# Altium PCB driver_io.PcbDoc (part 1 of 2) (continued)
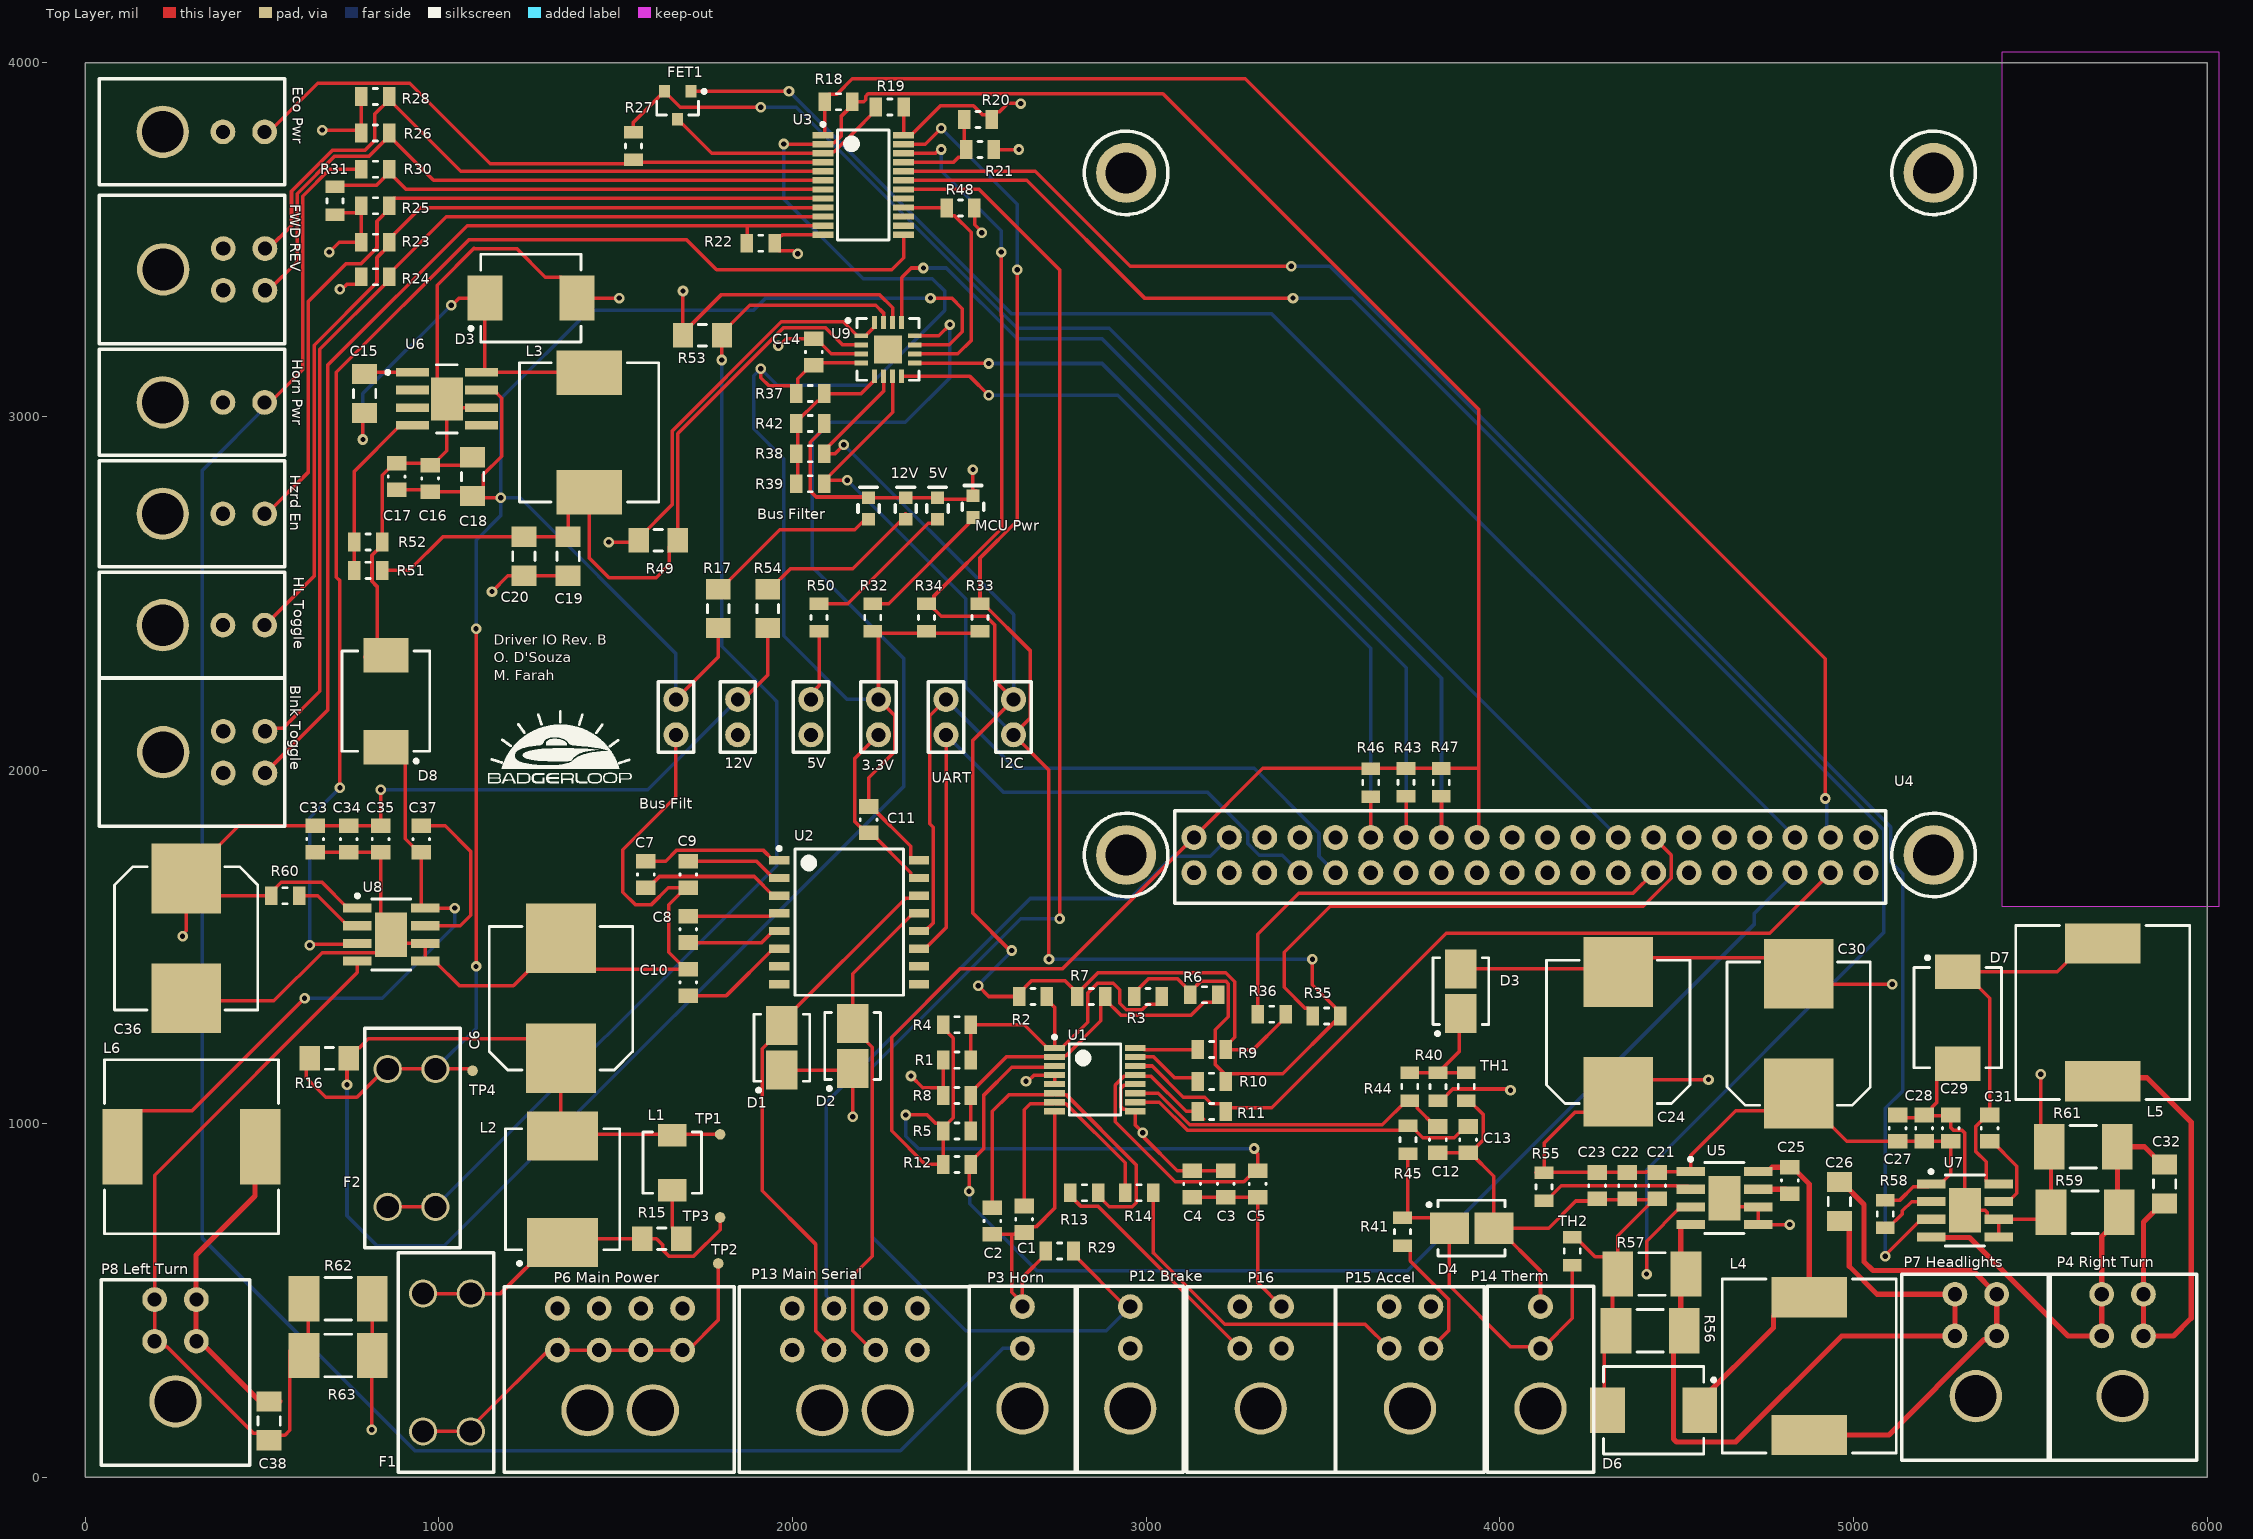
[diagram p0: Top Layer view]
## Part data (continued)
R1 R2 R3 R4 R5 R6 R7 R8 R9 R10 R20 R21 R35 R36 R37 R38 R39 R42: library part ERJ-6GEY0R00V, "RES SMD 0.0 OHM JUMPER 1/8W 0805", Digi-Key Part Number=P0.0ACT-ND, Manufacturer="Panasonic Electronic Components", Operating Temperature="-55°C ~ 155°C", Package / Case="0805 (2012 Metric)", Power (Watts)="0.125W, 1/8W", Supplier Device Package=0805, Temperature Coefficient=-, Tolerance=Jumper, @ qty=1500, Composition="Thick Film", Datasheets=http://industrial.panasonic.com/www-cgi/jvcr13pz.cgi?E+PZ+3+AOA0001+ERJ6GEY0R00V+7+WW, Factory Stock=0, Failure Rate=-, Features="Automotive AEC-Q200", Height - Seated (Max)="0.028\" (0.70mm)", Image=//media.digikey.com/Renders/Panasonic%20Renders/ERJ-0805%20Pkg.jpg, Minimum Quantity=1, Number of Terminations=2, Packaging="Cut Tape (CT)", Part Number=ERJ-6GEY0R00V, Part Status=Active, Quantity Available=1597627, Series=ERJ, Size / Dimension="0.079\" L x 0.049\" W (2.00mm x 1.25mm)", Unit Price (USD)=0.00544
R11 R18 R19 R22 R23 R24 R25 R26 R27 R28 R29 R33 R34 R43 R46 R47 R48: library part ERJ-6GEYJ103V, "RES SMD 10K OHM 5% 1/8W 0805", Digi-Key Part Number=P10KACT-ND, Manufacturer="Panasonic Electronic Components", Operating Temperature="-55°C ~ 155°C", Package / Case="0805 (2012 Metric)", Power (Watts)="0.125W, 1/8W", Supplier Device Package=0805, Temperature Coefficient=±200ppm/°C, Tolerance=±5%, @ qty=1500, Composition="Thick Film", Datasheets=http://industrial.panasonic.com/www-cgi/jvcr13pz.cgi?E+PZ+3+AOA0001+ERJ6GEYJ103V+7+WW, Factory Stock=0, Failure Rate=-, Features="Automotive AEC-Q200", Height - Seated (Max)="0.028\" (0.70mm)", Image=//media.digikey.com/Renders/Panasonic%20Renders/ERJ-0805%20Pkg.jpg, Minimum Quantity=1, Number of Terminations=2, Packaging="Cut Tape (CT)", Part Number=ERJ-6GEYJ103V, Part Status=Active, Quantity Available=2328224, Series=ERJ, Size / Dimension="0.079\" L x 0.049\" W (2.00mm x 1.25mm)", Unit Price (USD)=0.00496
R12 R51: library part ERJ-P06J103V, "RES SMD 10K OHM 5% 1/2W 0805", Digi-Key Part Number=P10KADCT-ND, Manufacturer="Panasonic Electronic Components", Operating Temperature="-55°C ~ 155°C", Package / Case="0805 (2012 Metric)", Power (Watts)="0.5W, 1/2W", Supplier Device Package=0805, Temperature Coefficient=±200ppm/°C, Tolerance=±5%, @ qty=1500, Composition="Thick Film", Datasheets=https://industrial.panasonic.com/cdbs/www-data/pdf/RDA0000/AOA0000C243.pdf, Factory Stock=0, Failure Rate=-, Features="Automotive AEC-Q200, Pulse Withstanding", Height - Seated (Max)="0.028\" (0.70mm)", Image=//media.digikey.com/Renders/Panasonic%20Renders/ERJ-0805%20Pkg.jpg, Minimum Quantity=1, Number of Terminations=2, Packaging="Cut Tape (CT)", Part Number=ERJ-P06J103V, Part Status=Active, Quantity Available=413576, Series=ERJ, Size / Dimension="0.079\" L x 0.049\" W (2.00mm x 1.25mm)", Unit Price (USD)=0.01839
R13 R14 R44 R45: library part ERJ-6ENF3002V, "RES SMD 30K OHM 1% 1/8W 0805", Digi-Key Part Number=P30.0KCCT-ND, Manufacturer="Panasonic Electronic Components", Operating Temperature="-55°C ~ 155°C", Package / Case="0805 (2012 Metric)", Power (Watts)="0.125W, 1/8W", Supplier Device Package=0805, Temperature Coefficient=±100ppm/°C, Tolerance=±1%, @ qty=1500, Composition="Thick Film", Datasheets=http://industrial.panasonic.com/www-cgi/jvcr13pz.cgi?E+PZ+3+AOA0002+ERJ6ENF3002V+7+WW, Factory Stock=0, Failure Rate=-, Features="Automotive AEC-Q200", Height - Seated (Max)="0.028\" (0.70mm)", Image=//media.digikey.com/Renders/Panasonic%20Renders/ERJ-0805%20Pkg.jpg, Minimum Quantity=1, Number of Terminations=2, Packaging="Cut Tape (CT)", Part Number=ERJ-6ENF3002V, Part Status=Active, Quantity Available=88046, Series=ERJ, Size / Dimension="0.079\" L x 0.049\" W (2.00mm x 1.25mm)", Unit Price (USD)=0.00729
R15: library part ERJ-8BSJR18V, "RES SMD 0.18 OHM 5% 1/2W 1206", Digi-Key Part Number=P17691CT-ND, Manufacturer="Panasonic Electronic Components", Operating Temperature="-55°C ~ 125°C", Package / Case="1206 (3216 Metric)", Power (Watts)="0.5W, 1/2W", Supplier Device Package=1206, Temperature Coefficient=±250ppm/°C, Tolerance=±5%, @ qty=1500, Composition="Thick Film", Datasheets=https://industrial.panasonic.com/cdbs/www-data/pdf/RDA0000/AOA0000C239.pdf, Factory Stock=0, Failure Rate=-, Features="Automotive AEC-Q200, Current Sense", Height - Seated (Max)="0.028\" (0.70mm)", Image=//media.digikey.com/Renders/Panasonic%20Renders/ERJ-1206%20Pkg.jpg, Minimum Quantity=1, Number of Terminations=2, Packaging="Cut Tape (CT)", Part Number=ERJ-8BSJR18V, Part Status=Active, Quantity Available=4940, Series=ERJ, Size / Dimension="0.126\" L x 0.063\" W (3.20mm x 1.60mm)", Unit Price (USD)=0.07621
R16 R49 R53: library part CSNL1206FT5L00TR, "RES SMD 0.005 OHM 1% 1W 1206", Case Code (Imperial)=1206, Case Code (Metric)=3216, Manufacturer="Stackpole Electronics", Manufacturer Part Number=CSNL1206FT5L00, Max Operating Temperature=170°C, Max Power Dissipation=1W, Min Operating Temperature=-55°C, Resistance=5mR, Supplier Part Number 1=CSNL1206FT5L00DKR-ND, Temperature Coefficient=50ppm/°C, Tolerance=1%, Case/Package=1206, ComponentLink1Description=https://www.seielect.com/Catalog/SEI-csnl.pdf?src-supplier=Digi-Key, ComponentLink1URL=https://www.seielect.com/Catalog/SEI-csnl.pdf?src-supplier=Digi-Key, ComponentLink2Description=https://www.seielect.com/catalog/SEI-Packaging.pdf?src-supplier=Digi-Key, ComponentLink2URL=https://www.seielect.com/catalog/SEI-Packaging.pdf?src-supplier=Digi-Key, ComponentLink3Description=https://www.seielect.com/Catalog/SEI-CSNL.pdf?src-supplier=Avnet, ComponentLink3URL=https://www.seielect.com/Catalog/SEI-CSNL.pdf?src-supplier=Avnet, Composition="Metal Foil", Contact Plating=Tin,Matte, Features="Moisture Resistant", Height=0.035inch, Length=0.126inch, Mount="Surface Mount", Number of Terminations=2, Packaging="Tape and Reel", Power Rating=1W, Pricing 1="1=0.68, 10=0.566, 25=0.4852, 50=0.4366, 100=0.38, 250=0.33956, 500=0.2749, 1000=0.22234 (USD)", Radiation Hardening=No, Stock 1=5025, Supplier 1=Digi-Key, Width=0.063inch
R17 R54: library part ERJ-8ENF4990V, "RES SMD 499 OHM 1% 1/4W 1206", Digi-Key Part Number=P499FCT-ND, Manufacturer="Panasonic Electronic Components", Operating Temperature="-55°C ~ 155°C", Package / Case="1206 (3216 Metric)", Power (Watts)="0.25W, 1/4W", Supplier Device Package=1206, Temperature Coefficient=±100ppm/°C, Tolerance=±1%, @ qty=1500, Composition="Thick Film", Datasheets=http://industrial.panasonic.com/www-cgi/jvcr13pz.cgi?E+PZ+3+AOA0002+ERJ8ENF4990V+7+WW, Factory Stock=0, Failure Rate=-, Features="Automotive AEC-Q200", Height - Seated (Max)="0.028\" (0.70mm)", Image=//media.digikey.com/Renders/Panasonic%20Renders/ERJ-1206%20Pkg.jpg, Minimum Quantity=1, Number of Terminations=2, Packaging="Cut Tape (CT)", Part Number=ERJ-8ENF4990V, Part Status=Active, Quantity Available=90988, Series=ERJ, Size / Dimension="0.126\" L x 0.063\" W (3.20mm x 1.60mm)", Unit Price (USD)=0.00933
R30: library part ERJ-P6WF1801V, "RES SMD 1.8K OHM 1% 1/2W 0805", Digi-Key Part Number=P16888CT-ND, Manufacturer="Panasonic Electronic Components", Operating Temperature="-55°C ~ 155°C", Package / Case="0805 (2012 Metric)", Power (Watts)="0.5W, 1/2W", Supplier Device Package=0805, Temperature Coefficient=±200ppm/°C, Tolerance=±1%, @ qty=1500, Composition="Thick Film", Datasheets=https://industrial.panasonic.com/cdbs/www-data/pdf/RDA0000/AOA0000C243.pdf, Factory Stock=0, Failure Rate=-, Features="Automotive AEC-Q200, Pulse Withstanding", Height - Seated (Max)="0.030\" (0.75mm)", Image=//media.digikey.com/Renders/Panasonic%20Renders/ERJ-0805%20Pkg.jpg, Minimum Quantity=1, Number of Terminations=2, Packaging="Cut Tape (CT)", Part Number=ERJ-P6WF1801V, Part Status=Active, Quantity Available=1027, Series=ERJ, Size / Dimension="0.079\" L x 0.049\" W (2.00mm x 1.25mm)", Unit Price (USD)=0.10507
R31: library part ERJ-P06F1001V, "RES SMD 1K OHM 1% 1/2W 0805", Digi-Key Part Number=P16058CT-ND, Manufacturer="Panasonic Electronic Components", Operating Temperature="-55°C ~ 155°C", Package / Case="0805 (2012 Metric)", Power (Watts)="0.5W, 1/2W", Supplier Device Package=0805, Temperature Coefficient=±100ppm/°C, Tolerance=±1%, @ qty=1500, Composition="Thick Film", Datasheets=https://industrial.panasonic.com/cdbs/www-data/pdf/RDA0000/AOA0000C243.pdf, Factory Stock=0, Failure Rate=-, Features="Automotive AEC-Q200, Pulse Withstanding", Height - Seated (Max)="0.028\" (0.70mm)", Image=//media.digikey.com/Renders/Panasonic%20Renders/ERJ-0805%20Pkg.jpg, Minimum Quantity=1, Number of Terminations=2, Packaging="Cut Tape (CT)", Part Number=ERJ-P06F1001V, Part Status=Active, Quantity Available=161264, Series=ERJ, Size / Dimension="0.079\" L x 0.049\" W (2.00mm x 1.25mm)", Unit Price (USD)=0.02534
R32: library part ERJ-6GEYJ620V, "RES SMD 62 OHM 5% 1/8W 0805", Digi-Key Part Number=P62ACT-ND, Manufacturer="Panasonic Electronic Components", Operating Temperature="-55°C ~ 155°C", Package / Case="0805 (2012 Metric)", Power (Watts)="0.125W, 1/8W", Supplier Device Package=0805, Temperature Coefficient=±200ppm/°C, Tolerance=±5%, @ qty=1500, Composition="Thick Film", Datasheets=http://industrial.panasonic.com/www-cgi/jvcr13pz.cgi?E+PZ+3+AOA0001+ERJ6GEYJ620V+7+WW, Factory Stock=0, Failure Rate=-, Features="Automotive AEC-Q200", Height - Seated (Max)="0.028\" (0.70mm)", Image=//media.digikey.com/Renders/Panasonic%20Renders/ERJ-0805%20Pkg.jpg, Minimum Quantity=1, Number of Terminations=2, Packaging="Cut Tape (CT)", Part Number=ERJ-6GEYJ620V, Part Status=Active, Quantity Available=65363, Series=ERJ, Size / Dimension="0.079\" L x 0.049\" W (2.00mm x 1.25mm)", Unit Price (USD)=0.00496
R40 R41: library part ERJ-P6WF1002V, "RES SMD 10K OHM 1% 1/2W 0805", Digi-Key Part Number=P16897CT-ND, Manufacturer="Panasonic Electronic Components", Operating Temperature="-55°C ~ 155°C", Package / Case="0805 (2012 Metric)", Power (Watts)="0.5W, 1/2W", Supplier Device Package=0805, Temperature Coefficient=±200ppm/°C, Tolerance=±1%, @ qty=1500, Composition="Thick Film", Datasheets=https://industrial.panasonic.com/cdbs/www-data/pdf/RDA0000/AOA0000C243.pdf, Factory Stock=0, Failure Rate=-, Features="Automotive AEC-Q200, Pulse Withstanding", Height - Seated (Max)="0.030\" (0.75mm)", Image=//media.digikey.com/Renders/Panasonic%20Renders/ERJ-0805%20Pkg.jpg, Minimum Quantity=1, Number of Terminations=2, Packaging="Cut Tape (CT)", Part Number=ERJ-P6WF1002V, Part Status=Active, Quantity Available=6510, Series=ERJ, Size / Dimension="0.079\" L x 0.049\" W (2.00mm x 1.25mm)", Unit Price (USD)=0.10507
R50: library part ERJ-6GEYJ151V, "RES SMD 150 OHM 5% 1/8W 0805", Digi-Key Part Number=P150ACT-ND, Manufacturer="Panasonic Electronic Components", Operating Temperature="-55°C ~ 155°C", Package / Case="0805 (2012 Metric)", Power (Watts)="0.125W, 1/8W", Supplier Device Package=0805, Temperature Coefficient=±200ppm/°C, Tolerance=±5%, @ qty=1500, Composition="Thick Film", Datasheets=http://industrial.panasonic.com/www-cgi/jvcr13pz.cgi?E+PZ+3+AOA0001+ERJ6GEYJ151V+7+WW, Factory Stock=0, Failure Rate=-, Features="Automotive AEC-Q200", Height - Seated (Max)="0.028\" (0.70mm)", Image=//media.digikey.com/Renders/Panasonic%20Renders/ERJ-0805%20Pkg.jpg, Minimum Quantity=1, Number of Terminations=2, Packaging="Cut Tape (CT)", Part Number=ERJ-6GEYJ151V, Part Status=Active, Quantity Available=321000, Series=ERJ, Size / Dimension="0.079\" L x 0.049\" W (2.00mm x 1.25mm)", Unit Price (USD)=0.00496
R52: library part ERJ-6ENF3161V, "RES SMD 3.16K OHM 1% 1/8W 0805", Digi-Key Part Number=P3.16KCCT-ND, Manufacturer="Panasonic Electronic Components", Operating Temperature="-55°C ~ 155°C", Package / Case="0805 (2012 Metric)", Power (Watts)="0.125W, 1/8W", Supplier Device Package=0805, Temperature Coefficient=±100ppm/°C, Tolerance=±1%, @ qty=1500, Composition="Thick Film", Datasheets=http://industrial.panasonic.com/www-cgi/jvcr13pz.cgi?E+PZ+3+AOA0002+ERJ6ENF3161V+7+WW, Factory Stock=0, Failure Rate=-, Features="Automotive AEC-Q200", Height - Seated (Max)="0.028\" (0.70mm)", Image=//media.digikey.com/Renders/Panasonic%20Renders/ERJ-0805%20Pkg.jpg, Minimum Quantity=1, Number of Terminations=2, Packaging="Cut Tape (CT)", Part Number=ERJ-6ENF3161V, Part Status=Active, Quantity Available=33506, Series=ERJ, Size / Dimension="0.079\" L x 0.049\" W (2.00mm x 1.25mm)", Unit Price (USD)=0.00729
R55 R58 R60: library part ERJ-6GEYJ474V, "RES SMD 470K OHM 5% 1/8W 0805", Digi-Key Part Number=P470KACT-ND, Manufacturer="Panasonic Electronic Components", Operating Temperature="-55°C ~ 155°C", Package / Case="0805 (2012 Metric)", Power (Watts)="0.125W, 1/8W", Supplier Device Package=0805, Temperature Coefficient=±200ppm/°C, Tolerance=±5%, @ qty=1500, Composition="Thick Film", Datasheets=http://industrial.panasonic.com/www-cgi/jvcr13pz.cgi?E+PZ+3+AOA0001+ERJ6GEYJ474V+7+WW, Factory Stock=0, Failure Rate=-, Features="Automotive AEC-Q200", Height - Seated (Max)="0.028\" (0.70mm)", Image=//media.digikey.com/Renders/Panasonic%20Renders/ERJ-0805%20Pkg.jpg, Minimum Quantity=1, Number of Terminations=2, Packaging="Cut Tape (CT)", Part Number=ERJ-6GEYJ474V, Part Status=Active, Quantity Available=127133, Series=ERJ, Size / Dimension="0.079\" L x 0.049\" W (2.00mm x 1.25mm)", Unit Price (USD)=0.00496
R56 R57 R59 R61 R62 R63: "Res Thick Film 2512 1 Ohm 5% 3W ±200ppm/C Pad SMD", Case Code (Imperial)=2512, Case Code (Metric)=6432, Manufacturer="TE Connectivity CGS", Max Operating Temperature=105°C, Min Operating Temperature=-55°C, Number of Resistors=1, Power Rating=3W, Resistance=1R, Resistor Type="Thick Film,Power resistor", Supplier Part Number 1=A121177CT-ND, Temperature Coefficient=200ppm/°C, Tolerance=5%, Voltage Rating=250V, Case/Package=2512, Category="Chip SMD Resistors", ComponentLink1Description=http://www.farnell.com/datasheets/2007092.pdf?src-supplier=Farnell, ComponentLink1URL=http://www.farnell.com/datasheets/2007092.pdf?src-supplier=Farnell, ComponentLink2Description=http://uk.rs-online.com/webdocs/142d/0900766b8142d0dd.pdf?src-supplier=RSComponents, ComponentLink2URL=http://uk.rs-online.com/webdocs/142d/0900766b8142d0dd.pdf?src-supplier=RSComponents, ComponentLink3Description=https://www.te.com/commerce/DocumentDelivery/DDEController?Action=srchrtrv&DocNm=9-1773463-7&DocType=DS&DocLang=English&src-supplier=Digi-Key, ComponentLink3URL=https://www.te.com/commerce/DocumentDelivery/DDEController?Action=srchrtrv&DocNm=9-1773463-7&DocType=DS&DocLang=English&src-supplier=Digi-Key, ComponentLink4Description=https://www.te.com/commerce/DocumentDelivery/DDEController?Action=srchrtrv&amp;DocNm=9-1773463-7&amp;DocType=DS&amp;DocLang=English&src-supplier=Digi-Key, ComponentLink4URL=https://www.te.com/commerce/DocumentDelivery/DDEController?Action=srchrtrv&amp;DocNm=9-1773463-7&amp;DocType=DS&amp;DocLang=English&src-supplier=Digi-Key, ComponentLink5Description=http://www.farnell.com/datasheets/2007092.pdf?src-supplier=Element14, ComponentLink5URL=http://www.farnell.com/datasheets/2007092.pdf?src-supplier=Element14, Depth=3.2mm, Height=1.1mm, Length=6.35mm, Manufacturer Part Number=35221R0JT, Mount="Surface Mount", Number of Terminations=2, Packaging="Tape and Reel", Pricing 1="1=0.74000, 10=0.62000, 100=0.41620, 1000=0.24350 (USD)", REACH SVHC=Unknown, RoHS=Yes, RoHS Compliant=Yes, Stock 1=887, Supplier 1=Digi-Key, Termination=Solder, Voltage Rating (DC)=250V
TH1 TH2: "NTC THERMISTOR 4.7K OHM 5% 0805", Case Code (Imperial)=0805, Case Code (Metric)=2012, Current Rating=650uA, Manufacturer=Murata, Max Operating Temperature=125°C, Max Power Dissipation=200mW, Min Operating Temperature=-40°C, Package Quantity=4000, Resistance=4.7kR, Supplier Part Number 1=490-2453-1-ND, Tolerance=5%, Accuracy=3%, Case/Package=0805, ComponentLink1Description=https://datasheet.ciiva.com/30488/0900766b81259d06-30488337.pdf?src-supplier=RSComponents, ComponentLink1URL=https://datasheet.ciiva.com/30488/0900766b81259d06-30488337.pdf?src-supplier=RSComponents, ComponentLink2Description=https://datasheet.ciiva.com/2848/r44e-2848550.pdf?src-supplier=Digi-Key, ComponentLink2URL=https://datasheet.ciiva.com/2848/r44e-2848550.pdf?src-supplier=Digi-Key, ComponentLink3Description=https://datasheet.ciiva.com/24155/r44e-24155222.pdf?src-supplier=Future+Electronics, ComponentLink3URL=https://datasheet.ciiva.com/24155/r44e-24155222.pdf?src-supplier=Future+Electronics, ComponentLink4Description=https://datasheet.ciiva.com/2848/r44e-2848551.pdf?src-supplier=Digi-Key, ComponentLink4URL=https://datasheet.ciiva.com/2848/r44e-2848551.pdf?src-supplier=Digi-Key, ComponentLink5Description=https://datasheet.ciiva.com/2848/r44e-2848552.pdf?src-supplier=Digi-Key, ComponentLink5URL=https://datasheet.ciiva.com/2848/r44e-2848552.pdf?src-supplier=Digi-Key, ComponentLink6Description=https://datasheet.ciiva.com/16634/l0770c-16634105.pdf?src-supplier=Avnet+Europe, ComponentLink6URL=https://datasheet.ciiva.com/16634/l0770c-16634105.pdf?src-supplier=Avnet+Europe, ComponentLink7Description=https://datasheet.ciiva.com/3280/l0770c-3280522.pdf?src-supplier=Avnet, ComponentLink7URL=https://datasheet.ciiva.com/3280/l0770c-3280522.pdf?src-supplier=Avnet, Depth=1.25mm, Height=0.85mm, Lead Free="Lead Free", Length=2mm, Manufacturer Part Number=NCP21XM472J03RA, Mount="Surface Mount", Number of Pins=2, Packaging="Tape and Reel", Power Rating=200mW, Pricing 1="1=0.20000, 5=0.19400, 10=0.17300, 25=0.15920, 50=0.12760, 100=0.10930, 500=0.09564, 1000=0.08197 (USD)", Radiation Hardening=No, REACH SVHC="No SVHC", RoHS=Yes, Stock 1=51855, Supplier 1=Digi-Key, Termination=SMD/SMT, Width=1.25mm
TP1 TP2 TP3 TP4: "SMD TEST POINT"
U1: "ADC, Delta-Sigma, 24-Bit, 1 Func, 4 Channel, Serial Access, PDSO16", Manufacturer="Texas Instruments", Supplier Part Number 1=296-50884-1-ND, Category="Analog to Digital Converters (ADCs)", ComponentLink1Description=https://www.ti.com:443/lit/ds/symlink/ads1219.pdf?src-supplier=IHS+Markit, ComponentLink1URL=https://www.ti.com:443/lit/ds/symlink/ads1219.pdf?src-supplier=IHS+Markit, ComponentLink2Description=http://www.ti.com/lit/ds/symlink/ads1219.pdf?src-supplier=Digi-Key, ComponentLink2URL=http://www.ti.com/lit/ds/symlink/ads1219.pdf?src-supplier=Digi-Key, Converter Type=DELTA-SIGMA, JESD-609 Code=e4, Manufacturer Part Number=ADS1219IPWR, Moisture Sensitivity Level=3, Output Bit Code="OFFSET BINARY", Pricing 1="1=7.21000, 10=6.50900, 25=6.20600, 100=5.38870, 250=5.14652, 500=4.99800 (USD)", REACH SVHC=Yes, RoHS=Yes, RoHS Compliant=Yes, Stock 1=12108, Supplier 1=Digi-Key, Terminal Finish=Nickel
U2: "IC DRVR/RCVR MULTCH RS232 16SOIC", Case/Package=SOIC, Manufacturer="Texas Instruments", Max Operating Temperature=85°C, Max Supply Voltage=5.5V, Min Operating Temperature=-40°C, Min Supply Voltage=3V, Nominal Supply Current=1mA, Operating Supply Voltage=5V, Output Current=60mA, Output Voltage=5.4V, Package Quantity=40, Supplier Part Number 1=296-26159-5-ND, ComponentLink1Description=http://www.farnell.com/datasheets/1823586.pdf?src-supplier=Element14, ComponentLink1URL=http://www.farnell.com/datasheets/1823586.pdf?src-supplier=Element14, ComponentLink2Description=http://www.ti.com/lit/ds/symlink/max3232.pdf?src-supplier=Digi-Key, ComponentLink2URL=http://www.ti.com/lit/ds/symlink/max3232.pdf?src-supplier=Digi-Key, ComponentLink3Description=http://focus.ti.com/lit/ds/symlink/max3232.pdf?src-supplier=Avnet+Europe, ComponentLink3URL=http://focus.ti.com/lit/ds/symlink/max3232.pdf?src-supplier=Avnet+Europe, ComponentLink4Description=http://www.produktinfo.conrad.com/datenblaetter/1100000-1199999/001187156-da-01-en-IC_DRVR_RCVR_MULT_MAX3232IDW_SOIC_16_TID.pdf?src-supplier=Conrad, ComponentLink4URL=http://www.produktinfo.conrad.com/datenblaetter/1100000-1199999/001187156-da-01-en-IC_DRVR_RCVR_MULT_MAX3232IDW_SOIC_16_TID.pdf?src-supplier=Conrad, Data Rate=250Kbps, Height=2.35mm, Lead Free="Lead Free", Length=10.28mm, Logic Function=Transceiver,Receiver, Mount="Surface Mount", Number of Drivers=2, Number of Pins=16, Number of Receivers=2, Number of Transceivers=1, Number of Transmitters=2, Packaging=Rail/Tube, Pricing 1="1=2.15, 10=1.927, 25=1.818, 100=1.4543, 250=1.27252, 500=1.23618, 1000=0.98167, 2500=0.9604 (USD)", Radiation Hardening=No, REACH SVHC="No SVHC", RoHS Compliant=Yes, Simplex/Duplex="Full Duplex", Stock 1=419, Supplier 1=Digi-Key, Weight=0.014829oz, Width=7.52mm
U3: "Parallel I/O Port, 16-Bit, 16 I/O, CMOS, PDSO24", Manufacturer="Texas Instruments", Max Operating Temperature=85°C, Max Supply Voltage=5.5V, Min Operating Temperature=-40°C, Min Supply Voltage=1.65V, Package Body Material=Plastic, Package Code=TSSOP, Package Equivalence Code=TSSOP24,.25, Package Shape=Rectangular, Package Style="SMALL OUTLINE, THIN PROFILE, SHRINK PITCHMeter", Peak Reflow Temperature (Cel)=260°C, Power Supplies=1.8/5V, Supply Voltage-Nom=1.8V, Temperature Grade=INDUSTRIAL, Category="Interface ICs", ComponentLink1Description=https://www.ti.com:443/lit/ds/symlink/tca6416.pdf?src-supplier=IHS+Markit, ComponentLink1URL=https://www.ti.com:443/lit/ds/symlink/tca6416.pdf?src-supplier=IHS+Markit, ComponentLink2Description=https://datasheet.ciiva.com/1780/tca6416-1780912.pdf?src-supplier=Digi-Key, ComponentLink2URL=https://datasheet.ciiva.com/1780/tca6416-1780912.pdf?src-supplier=Digi-Key, ComponentLink3Description=https://datasheet.ciiva.com/1780/tca6416-1780913.pdf?src-supplier=Digi-Key, ComponentLink3URL=https://datasheet.ciiva.com/1780/tca6416-1780913.pdf?src-supplier=Digi-Key, ComponentLink4Description=https://datasheet.ciiva.com/1780/tca6416-1780914.pdf?src-supplier=Digi-Key, ComponentLink4URL=https://datasheet.ciiva.com/1780/tca6416-1780914.pdf?src-supplier=Digi-Key, Height - Seated (Max)=1.2mm, JESD-30 Code=R-PDSO-G24, JESD-609 Code=e4, Length=7.8mm, Manufacturer Part Number=TCA6416PWR, Moisture Sensitivity Level=1, Number of Bits=16, Number of I/O Lines=16, Number of Pins=24, Number of Ports=2, Pricing 1="1=3.29000, 10=2.95900, 25=2.79760, 100=2.42460, 250=2.30024, 500=2.06402, 1000=2.05275 (USD)", Qualification Status="Not Qualified", REACH SVHC=Yes, RoHS=Yes, RoHS Compliant=Yes, Stock 1=2155, Supplier 1=Digi-Key, Surface Mount=Yes, Technology=CMOS, Terminal Finish=Nickel, Terminal Form="Gull Wing", Terminal Pitch=0.65mm, Terminal Position=DUAL, Width=4.4mm
U4: "SINGLE BOARD COMPUTER", Manufacturer="Raspberry Pi", Supplier Part Number 1=1373331, ComponentLink1Description=https://github.com/raspberrypi/documentation/raw/master/hardware/raspberrypi/mechanical/rpi_MECH_3bplus.pdf?src-supplier=Digi-Key, ComponentLink1URL=https://github.com/raspberrypi/documentation/raw/master/hardware/raspberrypi/mechanical/rpi_MECH_3bplus.pdf?src-supplier=Digi-Key, Core Architecture=ARM, Manufacturer Part Number="RASPBERRY PI 4 MODEL B", RoHS=No, Supplier 1=RSComponents
U5 U7 U8: "LED Driver Buck 1-CH PWM 10.2V 1.5A 8-Pin SOP EP T/R", Manufacturer=ISSI, Supplier Part Number 1=2521-IS32LT3952-GRLA3-CT-ND, Category="LED Drivers", Manufacturer Part Number=IS32LT3952-GRLA3-TR, Pricing 1="1=1.59000, 10=1.43300, 25=1.35160, 100=1.15150, 250=1.08120, 500=0.94604, 1000=0.78387 (USD)", RoHS=Yes, RoHS Compliant=Yes, Stock 1=4817, Supplier 1=Digi-Key
U6: "Switching Regulator, Voltage-mode, 5A, 500kHz Switching Freq-Max, PDSO8", Manufacturer="Texas Instruments", Max Input Voltage=36V, Max Operating Temperature=125°C, Max Output Current=11.7A, Min Input Voltage=5.5V, Min Operating Temperature=-55°C, Package Body Material=Plastic, Package Code=HLSOP, Package Equivalence Code=SOP8,.25, Package Shape=Rectangular, Package Style="SMALL OUTLINE, HEAT SINK/SLUG, LOW PROFILEMeter", Peak Reflow Temperature (Cel)=260°C, Switching Frequency-Max=600kHz, Temperature Grade=MILITARY, Analog IC - Other Type="SWITCHING REGULATOR", Category="Voltage Regulators - Switching", ComponentLink1Description=https://www.ti.com:443/lit/ds/symlink/tps5450-ep.pdf?src-supplier=IHS+Markit, ComponentLink1URL=https://www.ti.com:443/lit/ds/symlink/tps5450-ep.pdf?src-supplier=IHS+Markit, ComponentLink2Description=https://datasheet.ciiva.com/2026/tps5450-ep-2026960.pdf?src-supplier=Digi-Key, ComponentLink2URL=https://datasheet.ciiva.com/2026/tps5450-ep-2026960.pdf?src-supplier=Digi-Key, ComponentLink3Description=https://datasheet.ciiva.com/14377/tps5450-ep-14377735.pdf?src-supplier=Avnet, ComponentLink3URL=https://datasheet.ciiva.com/14377/tps5450-ep-14377735.pdf?src-supplier=Avnet, ComponentLink4Description=https://datasheet.ciiva.com/4120/47915916s8374019n7713-4120041.pdf?src-supplier=Arrow+Electronics, ComponentLink4URL=https://datasheet.ciiva.com/4120/47915916s8374019n7713-4120041.pdf?src-supplier=Arrow+Electronics, ComponentLink5Description=https://datasheet.ciiva.com/12226/slvs935-120931-12226785.pdf?src-supplier=Mouser, ComponentLink5URL=https://datasheet.ciiva.com/12226/slvs935-120931-12226785.pdf?src-supplier=Mouser, ComponentLink6Description=https://datasheet.ciiva.com/26899/tps5450mddarep-26899682.pdf?src-supplier=IIIC, ComponentLink6URL=https://datasheet.ciiva.com/26899/tps5450mddarep-26899682.pdf?src-supplier=IIIC, ComponentLink7Description=https://datasheet.ciiva.com/26101/tps5450-ep-26101388.pdf?src-supplier=Avnet+Europe, ComponentLink7URL=https://datasheet.ciiva.com/26101/tps5450-ep-26101388.pdf?src-supplier=Avnet+Europe, Control Mode=VOLTAGE-MODE, Control Technique="PULSE WIDTH MODULATION", Height - Seated (Max)=1.68mm, JESD-30 Code=R-PDSO-G8, JESD-609 Code=e4, Length=4.89mm, Manufacturer Part Number=TPS5450MDDAREP, Moisture Sensitivity Level=1, Number of Functions=1, Number of Pins=8, Pricing 1="1=11.08000, 10=10.00700, 25=9.54160, 100=8.28490, 250=7.91260, 500=7.68424 (USD)", Qualification Status="Not Qualified", REACH SVHC=Yes, RoHS=Yes, RoHS Compliant=Yes, Stock 1=2565, Supplier 1=Digi-Key, Surface Mount=Yes, Switcher Configuration=BUCK, Terminal Finish=Nickel, Terminal Form="Gull Wing", Terminal Pitch=1.27mm, Terminal Position=DUAL, TPS5450MDDAREP=296-24950-1-ND, Width=3.9mm
U9: "26V, triple channel, 13-bit, i2c output current/voltage monitor w/alerts 16-VQFN -40 to 125", Case/Package=VQFN, Input Bias Current=10uA, Input Offset Voltage (Vos)=80uV, Manufacturer="Texas Instruments", Max Operating Temperature=125°C, Max Supply Current=450uA, Max Supply Voltage=5.5V, Min Operating Temperature=-40°C, Min Supply Voltage=2.7V, Nominal Supply Current=350uA, Package Quantity=1, Power Supply Rejection Ratio (PSRR)=96.48dB, Accuracy=0.1%, Category="Amplifiers - Op Amps, Buffer, Instrumentation", Common Mode Rejection Ratio=110dB, ComponentLink1Description=https://datasheet.ciiva.com/6613/ina3221-6613776.pdf?src-supplier=Digi-Key, ComponentLink1URL=https://datasheet.ciiva.com/6613/ina3221-6613776.pdf?src-supplier=Digi-Key, ComponentLink2Description=https://datasheet.ciiva.com/7060/1636657-7060789.pdf?src-supplier=Newark, ComponentLink2URL=https://datasheet.ciiva.com/7060/1636657-7060789.pdf?src-supplier=Newark, ComponentLink3Description=https://datasheet.ciiva.com/26932/getdatasheetpartid-508337-26932465.pdf?src-supplier=Verical, ComponentLink3URL=https://datasheet.ciiva.com/26932/getdatasheetpartid-508337-26932465.pdf?src-supplier=Verical, ComponentLink4Description=https://datasheet.ciiva.com/2965/ina3221-2965738.pdf?src-supplier=Avnet, ComponentLink4URL=https://datasheet.ciiva.com/2965/ina3221-2965738.pdf?src-supplier=Avnet, ComponentLink5Description=https://datasheet.ciiva.com/6613/ina3221-6613775.pdf?src-supplier=Digi-Key, ComponentLink5URL=https://datasheet.ciiva.com/6613/ina3221-6613775.pdf?src-supplier=Digi-Key, ComponentLink6Description=https://datasheet.ciiva.com/46391/1882805-46391322.pdf?src-supplier=Element14, ComponentLink6URL=https://datasheet.ciiva.com/46391/1882805-46391322.pdf?src-supplier=Element14, ComponentLink7Description=https://datasheet.ciiva.com/7660/1636657-7660970.pdf?src-supplier=Element14, ComponentLink7URL=https://datasheet.ciiva.com/7660/1636657-7660970.pdf?src-supplier=Element14, Contact Plating=Gold, Features=I²C, Height=0.95mm, Lead Free="Lead Free", Length=4.15mm, Manufacturer Part Number=INA3221AIRGVT, Number of Channels=1, Number of Elements=1, Number of Pins=16, Operating Supply Current=350uA, Packaging="Tape and Reel", Pricing 1="1=5.31000, 10=4.76800, 25=4.50760, 100=3.90660 (USD)", Quiescent Current=350uA, Radiation Hardening=No, REACH SVHC="No SVHC", RoHS=Yes, RoHS Compliant=Yes, Series=-, Stock 1=703, Supplier 1=Digi-Key, Supplier Part Number 1=INA3221AIRGVT, Supply Current=350uA, Weight=0.001764oz, Width=4.15mm

## Via types
v1: diameter 30, hole 15, Top Layer to Bottom Layer, 64 vias

## Nets (pads, with @x,y where several pads share a name; then routed paths per layer and width w, separated by ;. In a path a pad name is that pad's centre, name@x,y a point inside that pad or via, vN(x,y) a via of type N, cw(c..) or ccw(c..) an arc to the next point about the centre after c; other vN are vias at no path point)
5V_PreShunt: C19.1 C20.1 L3.2 R49.1 R51.2 U9.2 | length 2211.3
  Top Layer w10: R51.2@839.37,2565 916.33,2565 1011.45,2660.12 C19.1@1365,2660.12 1365,2727.72 1422.99,2785.71 L3.2@1425,2785.71 1425,2600 1481,2544 1614,2544 1651.57,2581.57 1651.57,2632.36 1675.12,2655.91 1675.12,2951.89 1974.9,3251.67 2092.12,3251.67 2140.99,3202.8 U9.2@2194.21,3202.8
12V_PreShunt: F2.2 R53.1 U9.15 | length 3595.9
  Top Layer w10: F2.2@855,765 F2.2@990,765 ; v1(1800,3160) 1800,3229.88 R53.1@1800.12,3230 1800.12,3235.91 1823.66,3259.45 1879.21,3315 2235,3315 2257.2,3292.8 U9.15@2257.2,3265.79
  Bottom Layer w10: F2.2@990,765 1955,1730 1955,2194.14 1949.14,2200 1949.14,2200.86 1930,2220 1800,2350 v1(1800,3160)
A0: R37.1 R38.2 R39.2 R42.2 U9.5 | length 454.5
  Top Layer w10: R39.2@2015,2815 2015,2900 2015,2980 2015,2988.86 2069.57,3043.43 2081.02,3043.43 2093.74,3056.14 2093.74,3065 2194.21,3065 2231.61,3102.4 U9.5@2231.61,3114.21
Acc_Sig: "P15 Accel.2" R14.1 | length 949
  Top Layer w10: R14.1@3019.37,805 3019.37,635.86 3025.23,630 3222.01,433.21 3618.79,433.21 3687,365
ADC_DRDY: R11.1 U1.14 U4.38 | length 2303.8
  Top Layer w10: U1.14@2969.17,1163.39 3016.61,1163.39 3105,1075 3165.48,1075 3183.9,1056.57 3211.65,1056.57 3224.37,1043.86 R11.1@3224.37,1035 3234.37,1045 3355,1045 3848.72,1538.72 4763.72,1538.72 U4.38@4935,1710